# Altium PCB BB.PcbDoc (part 1 of 6)
Units mm, origin at the board's own origin, x right, y up, seen from the top; angles counter-clockwise.
Board outline 170.18 x 88.9 mm, 4 copper layers (Component Side, Ground Plane, Power Plane, Solder Side), stack 1.554 mm thick; 420 components, 358 nets, 1634 pads, 962 vias.
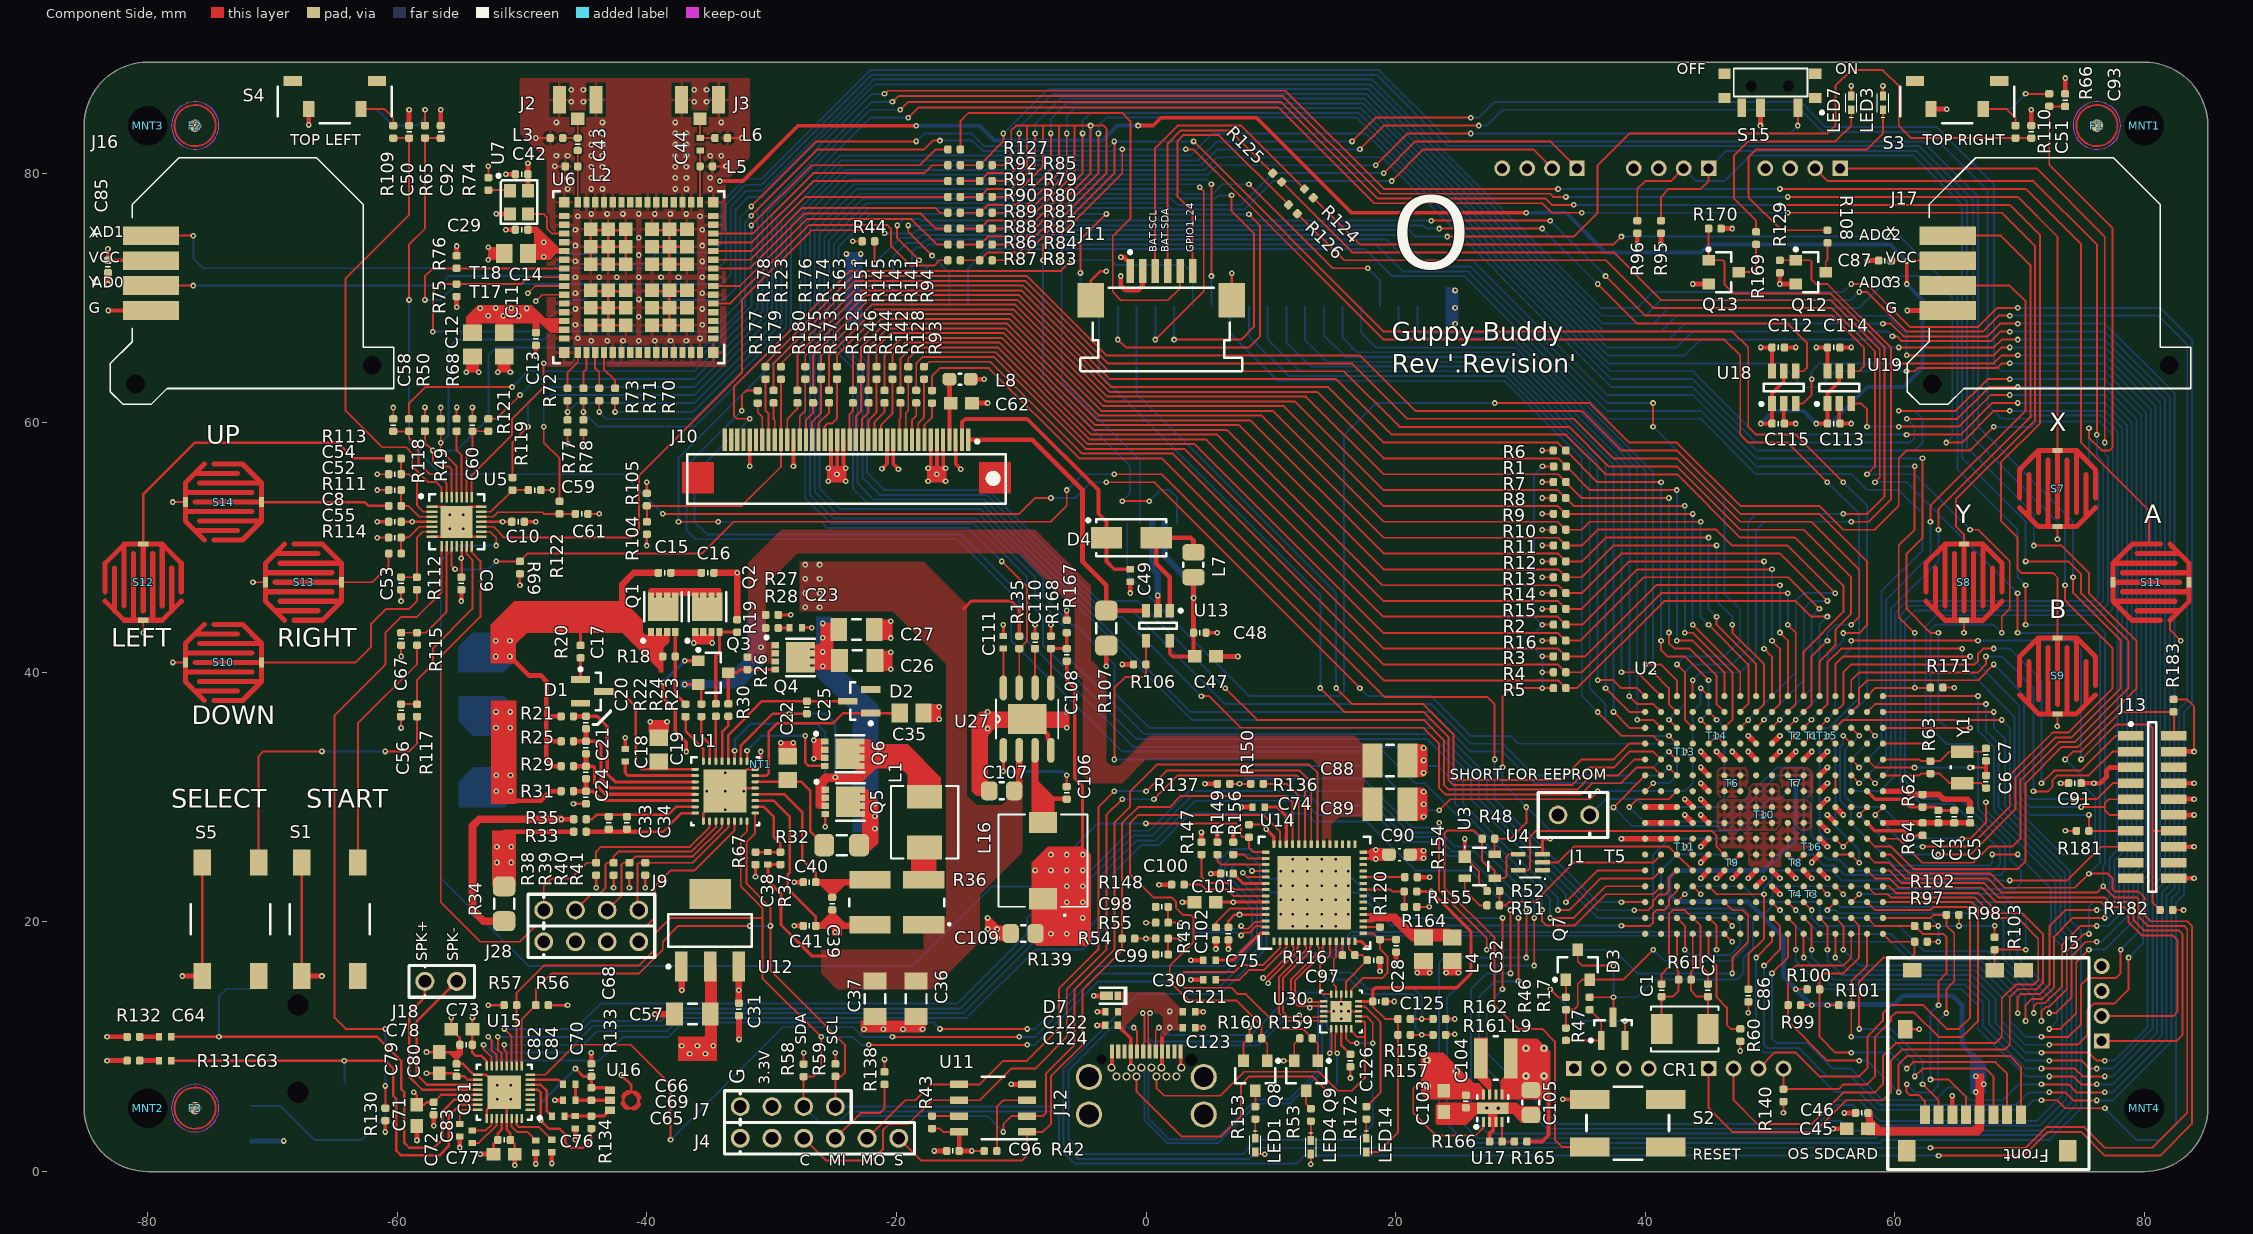
[diagram p0: Component Side view]
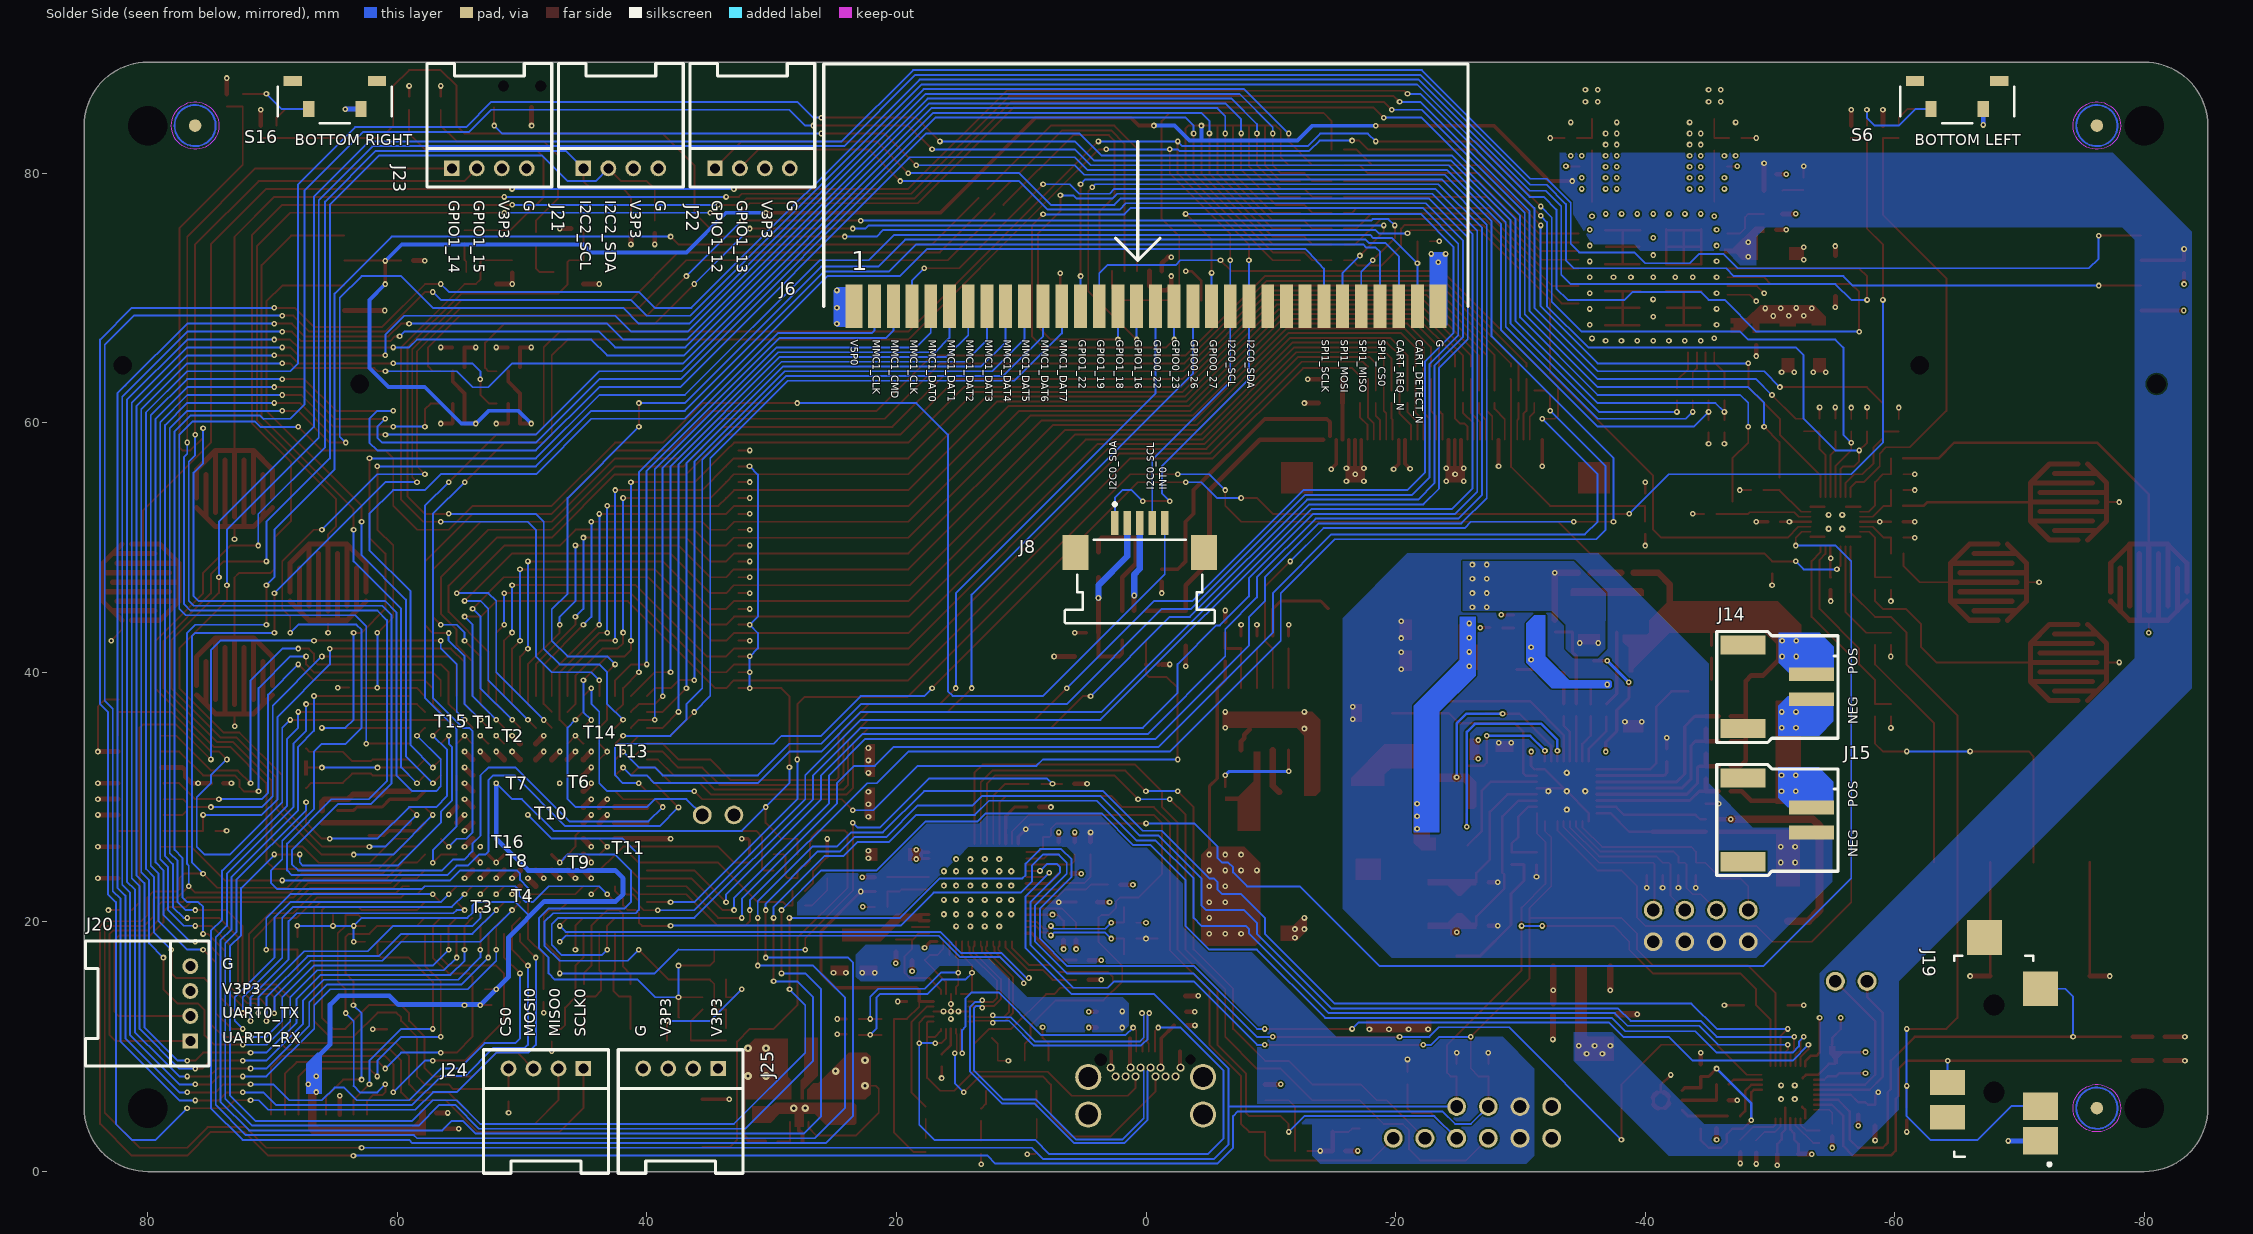
[diagram p1: Solder Side view, seen from below]
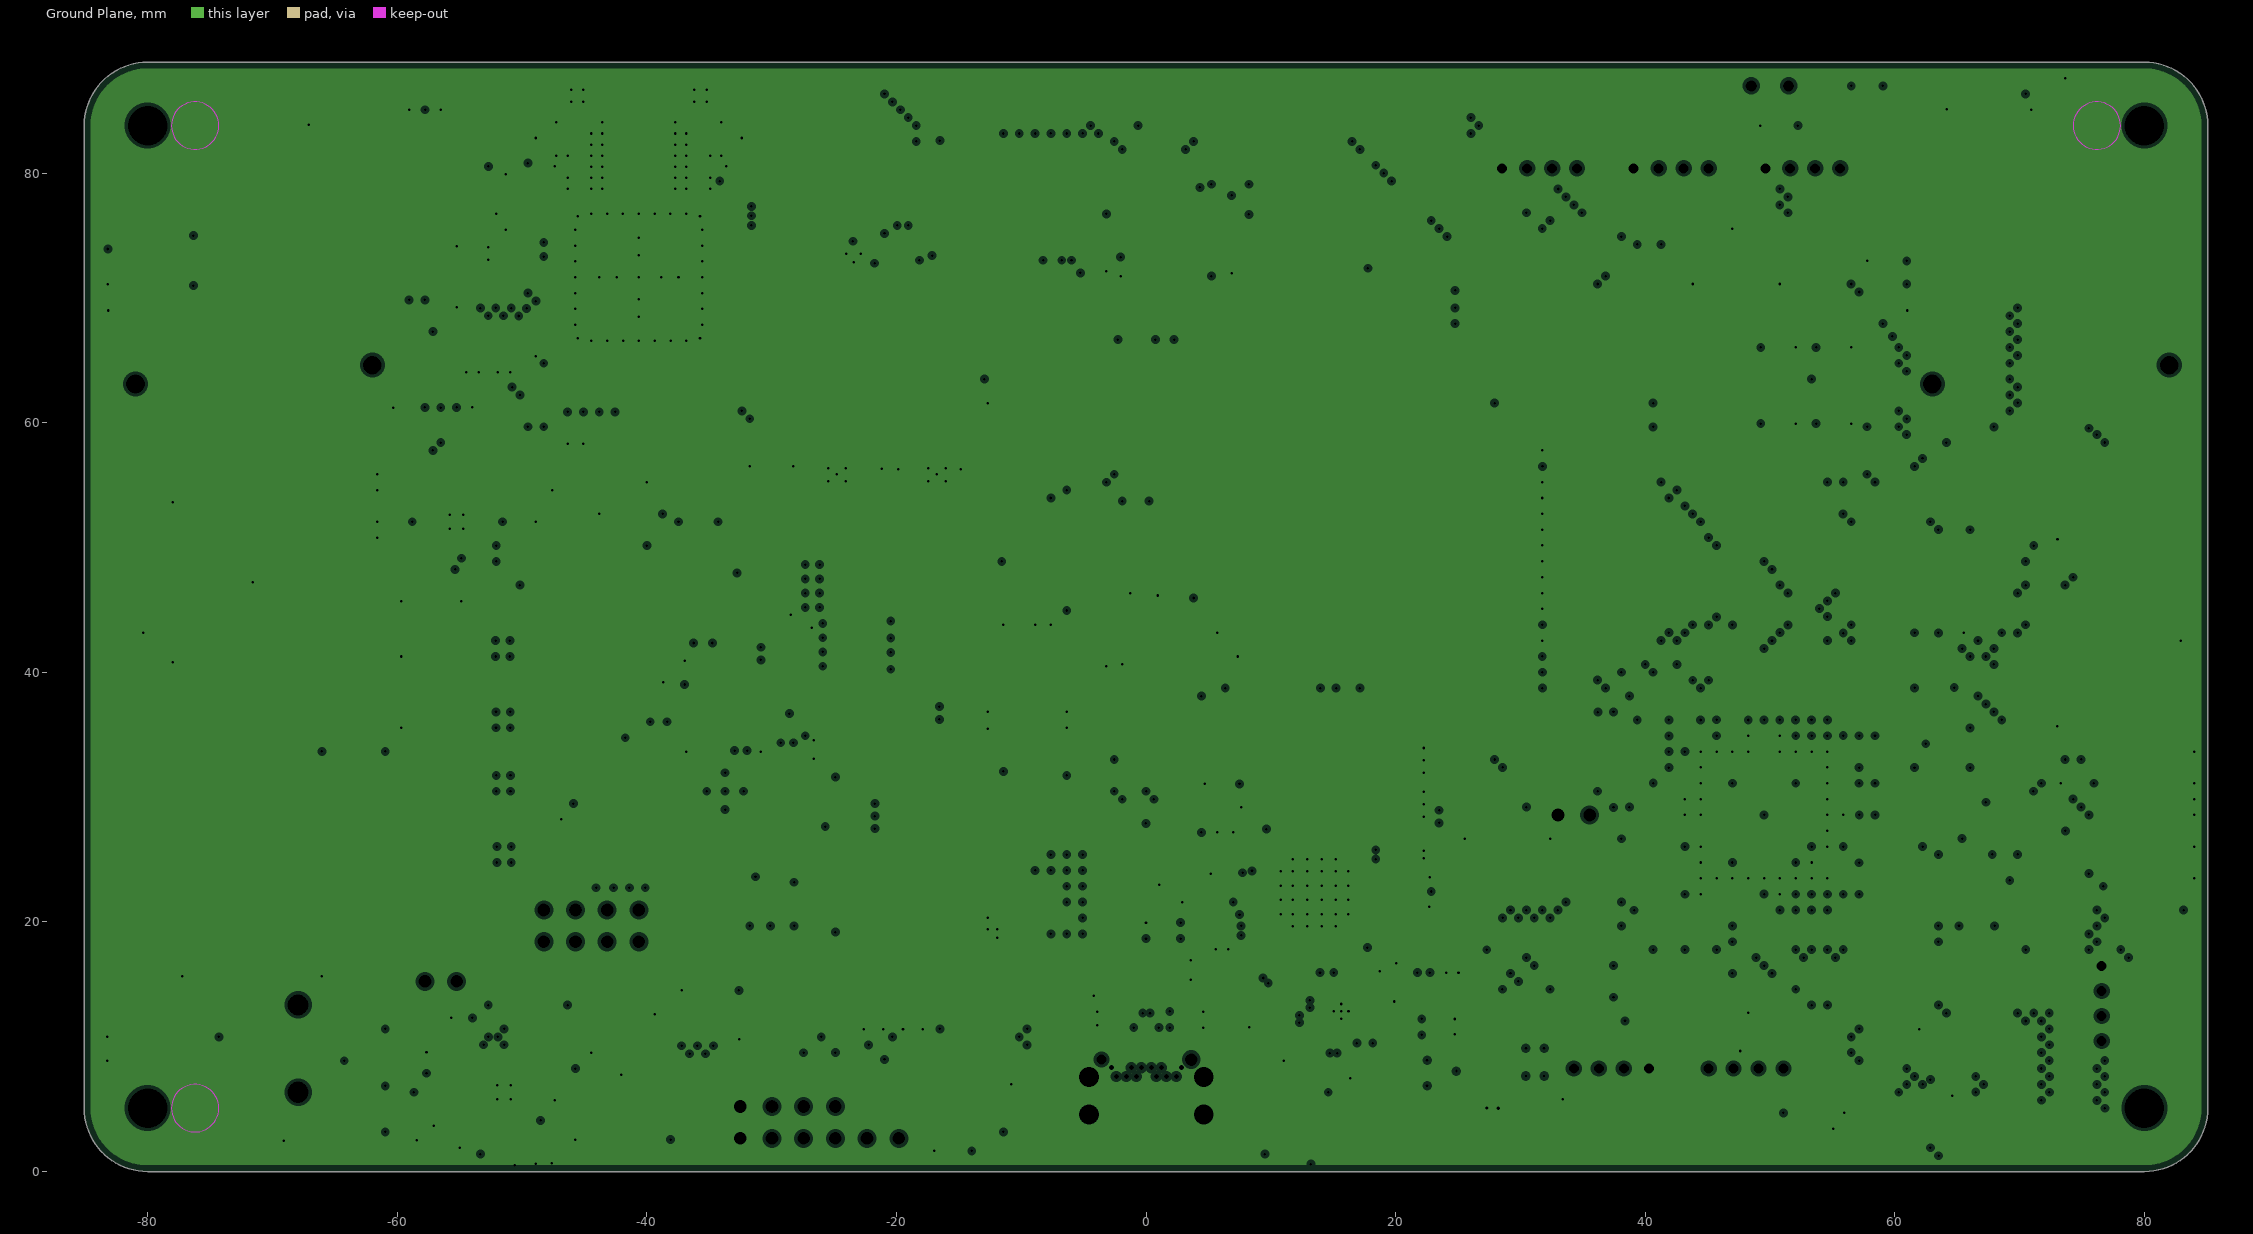
[diagram p2: Ground Plane, clearances drawn from the general rule]
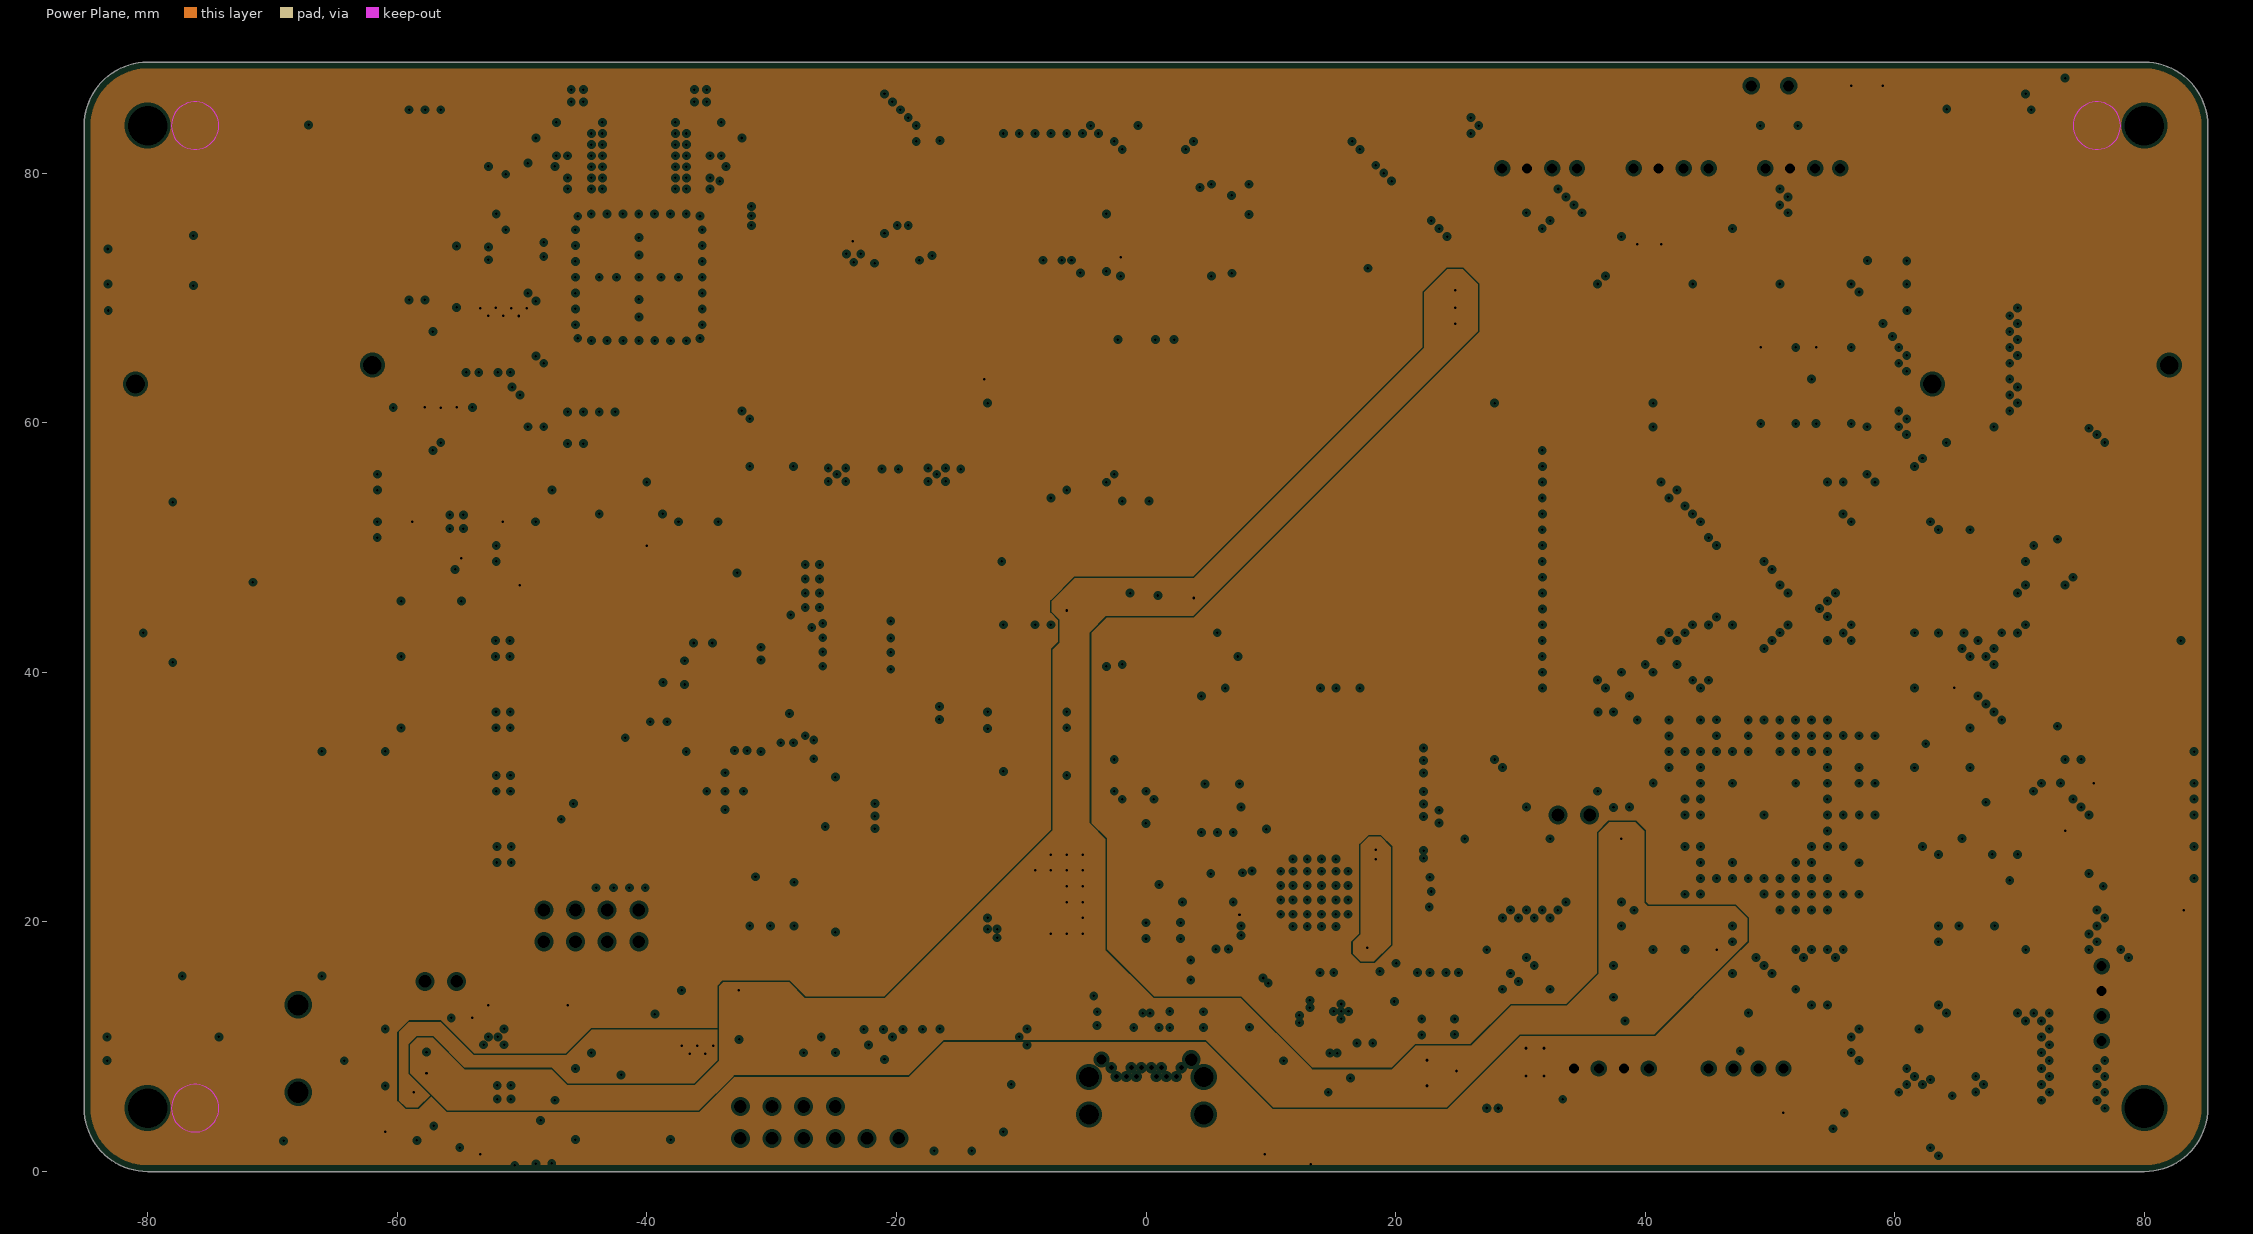
[diagram p3: Power Plane, clearances drawn from the general rule]
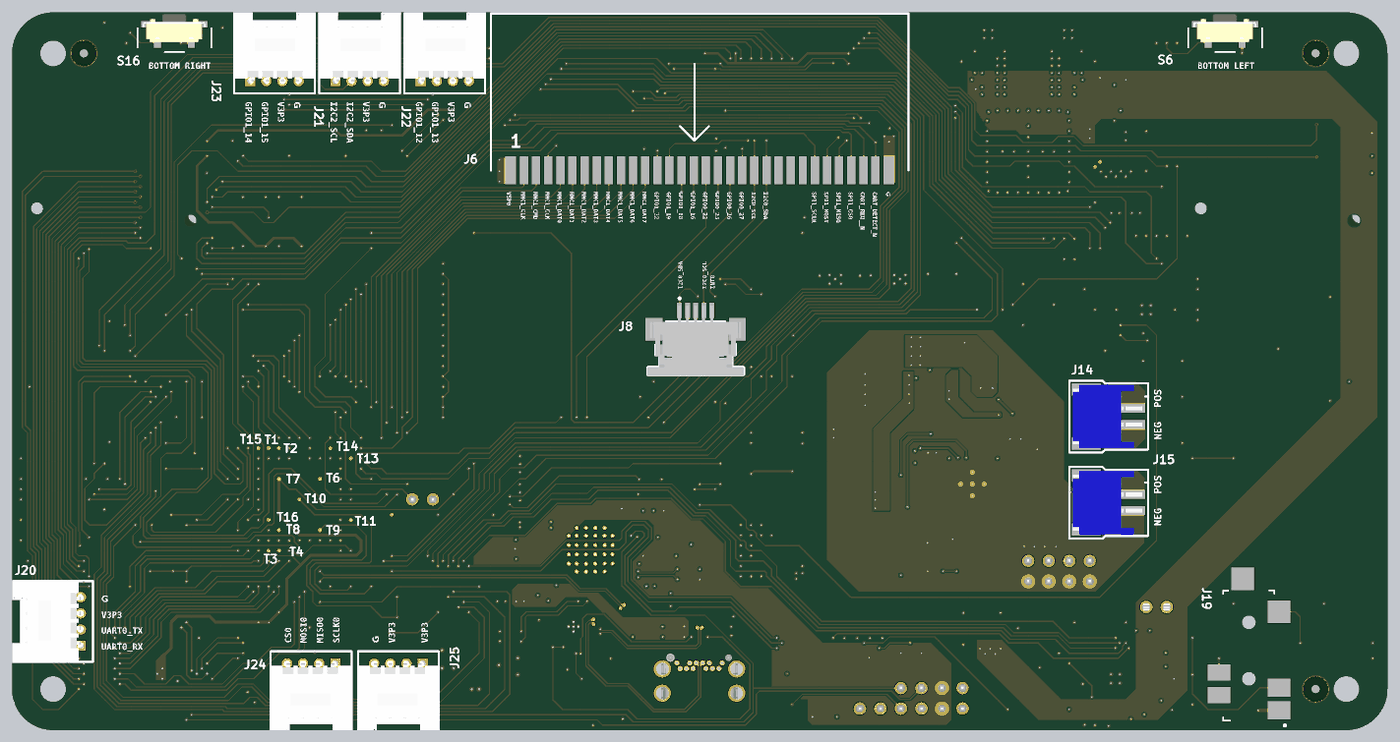
[diagram p9: 3D render of the assembled board from below, using the file's embedded part models]

## Layer stack, top to bottom
Top Solder: solder mask 0.0102, Solder Resist, Dk 3.5
Component Side: signal copper 0.0356
Dielectric 1: core 0.5057, FR-4, Dk 4.8
Ground Plane: plane copper 0.036, net GND
Dielectric 3: prepreg 0.4, Dk 4.2
Power Plane: plane copper 0.036, net (Multiple Nets)
Dielectric 4: core 0.5057, Dk 4.2
Solder Side: signal copper 0.0356
Bottom Solder: solder mask 0.0102, Solder Resist, Dk 3.5

## Board outline
-85.09,5.08 ccw(c-80.01,5.08) -80.01,0 80.01,0 ccw(c80.01,5.08) 85.09,5.08 85.09,83.82 ccw(c80.01,83.82) 80.01,88.9 -80.01,88.9 ccw(c-80.01,83.82) -85.09,83.82

## Design rules (kind name [scope] priority, off if disabled: settings)
Clearance PGND_GND [InNet('GND') vs InNet('PGND')] p1: gap=0.025 ignorepadtopadclearanceinfootprint=TRUE except(0: Arc-Hole Track-Hole SMDPad-Hole THPad-Hole Via-Hole Fill-Hole Poly-Hole Region-Hole Text-Hole)
Clearance [All] p2: gap=0.127 ignorepadtopadclearanceinfootprint=TRUE except(0: Arc-Hole Track-Hole SMDPad-Hole THPad-Hole Via-Hole Fill-Hole Poly-Hole Region-Hole Text-Hole)
DiffPairsRouting [All] p1: maxlimit=0.254 minlimit=0.127 mostfreqgap=0.152 toplayer_minwidth=0.127 toplayer_maxwidth=0.381 toplayer_prefwidth=0.152 bottomlayer_minwidth=0.127 bottomlayer_maxwidth=0.381 bottomlayer_prefwidth=0.152 maxuncoupledlength=12.7
HoleSize [All] p1: absolutevalues=TRUE maxlimit=3.175 minlimit=0.025 maxpercent=80.000 minpercent=20.000
MinimumSolderMaskSliver [All] p1: minsoldermaskwidth=0.076
NetAntennae [Footprint='S_GB_BTN'] p1: netantennaetolerance=0
PlaneClearance [All] p1: clearance=0.254
PlaneConnect USBC_CONN [(InComponent('J12') AND InNet('GND'))] p1: planeconnectstyle=Direct reliefexpansion=0.508 reliefentries=4 reliefconductorwidth=0.254 reliefairgap=0.254
PlaneConnect USBC_CONN_1 [InNet('GND')] p2: planeconnectstyle=Direct reliefexpansion=0.508 reliefentries=4 reliefconductorwidth=0.254 reliefairgap=0.254
PlaneConnect [All] p3: planeconnectstyle=Direct reliefexpansion=0.508 reliefentries=4 reliefconductorwidth=0.254 reliefairgap=0.254
PolygonConnect VBUS_POLYGON [All vs IsNamedPolygon('VBUS_L04_P029')] p1: connectstyle=Direct reliefconductorwidth=0.254 reliefentries=4 polygonreliefangle="90 Angle" airgapwidth=0.254
PolygonConnect VBUS1_POLYGON [All vs IsNamedPolygon('VBUS_L01_P027')] p2: connectstyle=Direct reliefconductorwidth=0.254 reliefentries=4 polygonreliefangle="90 Angle" airgapwidth=0.254
PolygonConnect V_USB_POLYGON [All vs IsNamedPolygon('V_USB_HV_L01_P025')] p3: connectstyle=Direct reliefconductorwidth=0.254 reliefentries=4 polygonreliefangle="90 Angle" airgapwidth=0.254
PolygonConnect WIFI_GND_CON_STYLE_1 [All vs IsNamedPolygon('GND_L01_P021')] p4: thpad.connectstyle=Relief thpad.reliefconductorwidth=0.254 thpad.reliefentries=4 thpad.polygonreliefangle="90 Angle" thpad.airgapwidth=0.254 smdpad.connectstyle=Relief smdpad.reliefconductorwidth=0.254 smdpad.reliefentries=4 smdpad.polygonreliefangle="90 Angle" smdpad.airgapwidth=0.254 via.connectstyle=Direct via.reliefconductorwidth=0.254 via.reliefentries=4 via.polygonreliefangle="90 Angle" via.airgapwidth=0.254
PolygonConnect MAIN_GND [All] p5: connectstyle=Direct reliefconductorwidth=0.254 reliefentries=4 polygonreliefangle="90 Angle" airgapwidth=0.254
PolygonConnect [All] p6: connectstyle=Relief reliefconductorwidth=0.254 reliefentries=4 polygonreliefangle="90 Angle" airgapwidth=0.254
RoutingLayers [All] p1: top layer_v5=FALSE bottom layer_v5=TRUE
RoutingVias [All] p1: holewidth=0.203 width=0.457 viastyle="Through Hole" minholewidth=0.203 minwidth=0.457 maxholewidth=0.711 maxwidth=1.27
SilkToSilkClearance [All] p1: silktosilkclearance=0.025
SilkToSolderMaskClearance [IsPad] p1: minsilkscreentomaskgap=0.025 clearancetoexposedcopper=TRUE
SolderMaskExpansion [All] p1: expansion=0.102
Width [All] p1: maxlimit=1.27 minlimit=0.152 preferedwidth=0.152 minimp=50.000000 maximp=50.000000 favimp=50.000000
21 further rules are at their usual default settings.

## Classes and differential pairs
differential pair SBU: +SBU_P -SBU_N
differential pair USB_2P0: +USB_2P0_P -USB_2P0_N
differential pair C_USB_T: +C_USB_T_P -C_USB_T_N
differential pair C_USB_B: +C_USB_B_P -C_USB_B_N
differential pair AUX: +AUX_P -AUX_N
differential pair AUX_C: +AUX_C_P -AUX_C_N

## Components (designator, comment, footprint, x,y, rotation, side; value= is the part's Value field where it differs from the comment)
C1 "C_0402_18PF_50V" C_0402 41.326,14.521 r270 top
C2 "C_0402_18PF_50V" C_0402 45.034,14.521 r270 top
C3 "C_0402_0.1UF_25V" C_0402 64.77,28.437 r90 top
C4 "C_0402_0.1UF_25V" C_0402 63.497,28.44 r90 top
C5 "C_0402_0.1UF_25V" C_0402 66.04,28.437 r90 top
C6 "C_0402_18PF_50V" C_0402 67.31,31.234 r270 top
C7 "C_0402_18PF_50V" C_0402 67.31,33.409 r90 top
C8 "C_0402_0.1UF_25V" C_0402 -60.19,52.07 r0 top
C9 "C_0402_0.1UF_25V" C_0402 -54.864,47.125 r90 top
C10 "C_0402_0.1UF_25V" C_0402 -50.319,52.07 r180 top
C11 "10µF" C_ERA-0805 -51.435,66.27 r90 top
C12 "10µF" C_ERA-0805 -53.975,66.27 r90 top
C13 "C_0402_0.1UF_25V" C_0402 -48.895,66.72 r90 top
C14 "10µF" C_ERA-0805 -50.48,73.57 r0 top
C15 "C_0402_0.1UF_25V" C_0402 -38.573,47.98 r180 top
C16 "C_0402_0.1UF_25V" C_0402 -35.123,47.98 r180 top
C17 "C_0402_0.1UF_25V" C_0402 -44.878,35.98 r90 top
C18 "C_0402_2.2uF_35V" C_ERA-0402 -41.735,33.365 r270 top
C19 "1.0uF" C_ERA-0805 -39.056,33.815 r270 top
C20 "C_0402_0.1UF_25V" C_0402 -44.878,33.98 r90 top
C21 "C_0402_0.1UF_25V" C_0402 -44.878,31.98 r90 top
C22 "1.0uF" C_ERA-0805 -28.719,32.326 r270 top
C23 "C_0402_2.2uF_35V" C_ERA-0402 -28.067,43.588 r180 top
C24 "C_0402_0.1UF_25V" C_0402 -44.878,29.98 r90 top
C25 "C_0402_0.1UF_25V" C_0402 -27.173,37.192 r90 top
C26 "10µF" CAP-1206 -23.148,40.962 r180 top
C27 "10µF" CAP-1206 -23.198,43.43 r180 top
C28 "220pF" C_0402 20.044,18.092 r90 top
C29 "1.0uF" C_0402 -50.03,75.475 r0 top
C30 "C_0402_0.22UF_50V" C_ERA-0402 5.088,15.361 r0 top
C31 "C_0402_0.1UF_25V" C_0402 -32.625,12.992 r90 top
C32 "1.0uF" C_ERA-0805 24.544,17.815 r90 top
C33 "C_0402_0.1UF_25V" C_0402 -43.053,27.937 r90 top
C34 "100pF" C_0402 -41.597,27.94 r270 top
C35 "C_0805_1.5uF_25V" C_ERA-0805 -18.791,36.742 r180 top
C36 "10µF" CAP-1206 -18.415,13.856 r270 top
C37 "10µF" CAP-1206 -21.715,13.856 r270 top
C38 "22pF" C_ERA-0402 -30.292,25.097 r270 top
C39 "C_0402_0.1UF_25V" C_0402 -25.146,21.463 r90 top
C40 "C_0402_0.1UF_25V" C_0402 -26.97,23.188 r180 top
C41 "C_0402_0.1UF_25V" C_0402 -26.97,19.688 r180 top
C42 "C_0402_0.1UF_25V" C_0402 -50.03,79.92 r0 top
C43 "10pF" C_0402 -45.54,82.325 r270 top
C44 "10pF" C_ERA-0402 -35.74,82.325 r270 top
C45 "C_0603_10µF" C_ERA-0603 57.008,3.429 r0 top
C46 "C_0402_0.1UF_25V" C_0402 57.358,4.699 r0 top
C47 "C_0603_10µF" C_ERA-0603 4.758,41.275 r180 top
C48 "C_0402_0.1UF_25V" C_0402 4.308,43.18 r180 top
C49 "C_0402_2.2uF_35V" C_ERA-0402 -1.272,47.76 r90 top
C50 "C_0402_0.1UF_25V" C_0402 -59.055,83.32 r270 top
C51 "C_0402_0.1UF_25V" C_0402 70.945,83.32 r270 top
C52 "C_0402_0.1UF_25V" C_0402 -60.19,54.61 r0 top
C53 "C_0402_0.1UF_25V" C_0402 -59.698,47.125 r90 top
C54 "C_0402_0.1UF_25V" C_0402 -60.19,55.88 r0 top
C55 "C_0402_0.1UF_25V" C_0402 -60.198,50.8 r0 top
C56 "C_0402_0.1UF_25V" C_0402 -59.698,36.956 r90 top
C57 "10µF" CAP-1206 -36.35,12.615 r0 top
C58 "C_0402_0.1UF_25V" C_0402 -60.325,59.817 r270 top
C59 "C_0402_0.1UF_25V" C_0402 -48.995,54.61 r180 top
C60 "C_0402_0.1UF_25V" C_0402 -53.976,59.825 r270 top
C61 "C_0402_0.1UF_25V" C_0402 -45.22,52.705 r180 top
C62 "C_0603_10µF" C_ERA-0603 -14.8,61.586 r180 top
C63 "C_0402_0.22UF_50V" C_ERA-0402 -78.605,8.89 r0 top
C64 "C_0402_0.22UF_50V" C_ERA-0402 -78.605,10.795 r0 top
C65 "1000pF" C_ERA-0402 -47.109,4.445 r0 top
C66 "1000pF" C_ERA-0402 -46.22,6.985 r0 top
C67 "C_0402_0.1UF_25V" C_0402 -59.69,42.68 r90 top
C68 "C_0402_0.1UF_25V" C_0402 -44.45,8.12 r270 top
C69 "1000pF" C_ERA-0402 -46.22,5.711 r180 top
C70 "1000pF" C_ERA-0402 -45.72,3.945 r270 top
C71 "C_0603_10µF" C_ERA-0603 -58.424,4.502 r90 top
C72 "C_0402_0.1UF_25V" C_0402 -57.082,5.048 r90 top
C73 "C_0603_10µF" C_ERA-0603 -54.825,11.401 r0 top
C74 "C_0402_2.2uF_35V" C_ERA-0402 9.025,29.21 r0 top
C75 "C_0402_2.2uF_35V" C_ERA-0402 5.088,16.942 r0 top
C76 "C_0402_0.1UF_25V" C_0402 -51.44,2.54 r180 top
C77 "C_0603_10µF" C_ERA-0603 -51.44,1.397 r180 top
C78 "C_0402_0.1UF_25V" C_0402 -54.475,10.16 r0 top
C79 "C_0603_10µF" C_ERA-0603 -56.642,8.724 r270 top
C80 "C_0402_0.1UF_25V" C_0402 -55.245,8.12 r270 top
C81 "C_0402_2.2uF_35V" C_ERA-0402 -53.975,2.794 r90 top
C82 "C_0402_2.2uF_35V" C_ERA-0402 -48.895,1.997 r90 top
C83 "C_0402_2.2uF_35V" C_ERA-0402 -54.991,3.31 r90 top
C84 "C_0402_2.2uF_35V" C_ERA-0402 -47.625,2.04 r90 top
C85 "C_0402_0.1UF_25V" C_0402 -83.185,72.525 r90 top
C86 "C_0402_0.1UF_25V" C_0402 48.27,14.105 r90 top
C87 "C_0402_0.1UF_25V" C_0402 59.215,73 r0 top
C88 "22µF" C_14-1210 19.558,32.942 r180 top
C89 "22µF" C_14-1210 19.558,29.442 r180 top
C90 "4.7µF" C_0603 20.32,25.4 r180 top
C91 "C_0402_0.1UF_25V" C_0402 74.43,31.124 r0 top
C92 "C_0402_0.1UF_25V" C_0402 -56.515,83.32 r270 top
C93 "C_0402_0.1UF_25V" C_0402 73.66,85.86 r270 top
C96 "C_0402_0.1UF_25V" C_0402 -15.475,1.651 r0 top
C97 "220pF" C_0402 18.244,16.942 r180 top
C98 "C_0402_0.1UF_25V" C_0402 1.278,21.209 r180 top
C99 "C_0402_0.1UF_25V" C_0402 1.278,17.402 r180 top
C100 "1.0uF" C_0402 6.485,23.876 r0 top
C101 "C_0603_10µF" C_ERA-0603 4.738,21.592 r0 top
C102 "1.0uF" C_0402 6.604,19.058 r90 top
C103 "C_0603_10µF" C_ERA-0603 23.86,5.621 r90 top
C104 "C_0402_0.1UF_25V" C_0402 25.638,5.621 r90 top
C105 "22µF" C_0805 30.845,5.525 r90 top
C106 "C_0402_0.1UF_25V" C_0402 -6.352,30.345 r90 top
C107 "22µF" C_0805 -11.557,30.504 r0 top
C108 "10pF" C_0402 -6.35,41.41 r270 top
C109 "22µF" C_0805 -9.845,19.082 r0 top
C110 "1.0uF" C_0402 -8.89,42.41 r270 top
C111 "C_0402_8.2NF" C_ERA-0402 -11.43,42.41 r270 top
C112 "C_0402_0.1UF_25V" C_0402 50.665,66.04 r180 top
C113 "C_0402_0.1UF_25V" C_0402 55.11,59.944 r180 top
C114 "C_0402_0.1UF_25V" C_0402 55.11,66.04 r180 top
C115 "C_0402_0.1UF_25V" C_0402 50.665,59.944 r180 top
C121 "10000pF" C_ERA-0402 3.445,12.807 r180 top
C122 "10000pF" C_ERA-0402 -2.754,12.807 r0 top
C123 "10000pF" C_ERA-0402 3.445,11.537 r180 top
C124 "10000pF" C_ERA-0402 -2.772,11.711 r0 top
C125 "1.0uF" C_0402 18.669,13.627 r180 top
C126 "C_0402_0.1UF_25V" C_0402 16.383,8.898 r90 top
CR1 "Y_7A-24.000MAAJ-T" CRYSTAL_TXC_7A 43.18,11.43 r180 top value=Value
D1 "BAT54" SOT23 -44.391,38.481 r0 top
D2 "BAT54" SOT23 -22.982,37.692 r180 top
D3 "D_TLVH431AIDBZR" SOT23 37.435,11.427 r90 top value=Value
D4 "B1100-13-F" DIOM5226X23L -1.177,50.792 r0 top
D7 "D_SCHOTT_30V_2A_XDFN" DSN2_0603 -2.894,14.077 r180 top
F1 "Fudicial" "FIDUCIAL ROUND" 76.2,83.82 r0 top locked
F2 "Fudicial" "FIDUCIAL ROUND" -76.2,83.82 r0 top locked
F3 "Fudicial" "FIDUCIAL ROUND" -76.2,5.08 r0 top locked
J1 "J_HDR1X2_JUMPER" HDR_1X2 35.56,28.575 r180 top locked
J2 "U.FL-R-SMT-1(10)" U.FL-R-SMT-1 -45.54,85.89 r0 top
J3 "U.FL-R-SMT-1(10)" U.FL-R-SMT-1 -35.74,85.89 r0 top
J4 "J_HDR1X6_THRHOLE_VERT" HDR_1X6 -32.512,2.667 r0 top
J5 "Micro SD" "MICRO SD" 74.563,0.81 r180 top locked
J6 "GB_CART1" GB_CART 0,69.342 r180 bottom locked
J7 "J_HDR1X4_THRHOLE_VERT" HDR_1X4 -32.512,5.207 r0 top
J8 "J_MOLX-0522710579" MOLX-0522710579 0,50.8 r180 bottom locked
J9 "J_HDR1X4_THRHOLE_VERT" HDR_1X4 -48.26,20.955 r0 top
J10 "Flatlink" FPC_40PIN -24,56 r270 top locked
J11 "J_MOLX-0522070660" MOLX-52271-0679 1.228,71 r0 top locked
J12 "J_DX07S024XJ1R1100" DX07S024XJ1R1100 -3.572,8.972 r0 top locked
J13 "J_HDR2X10_RECEPT_VERT" 20_SMC_HDR_RECPT 80.645,29.21 r0 top